# Altium PCB PCB1.PcbDoc (part 1 of 2)
Units mil, origin at the board's own origin, x right, y up, seen from the top; angles counter-clockwise.
Board outline 3937.01 x 3937.01 mil, 2 copper layers (Top Layer, Bottom Layer); 178 components, 187 nets, 636 pads, 168 vias.
Unrouted connection lines stored in the file: 17.
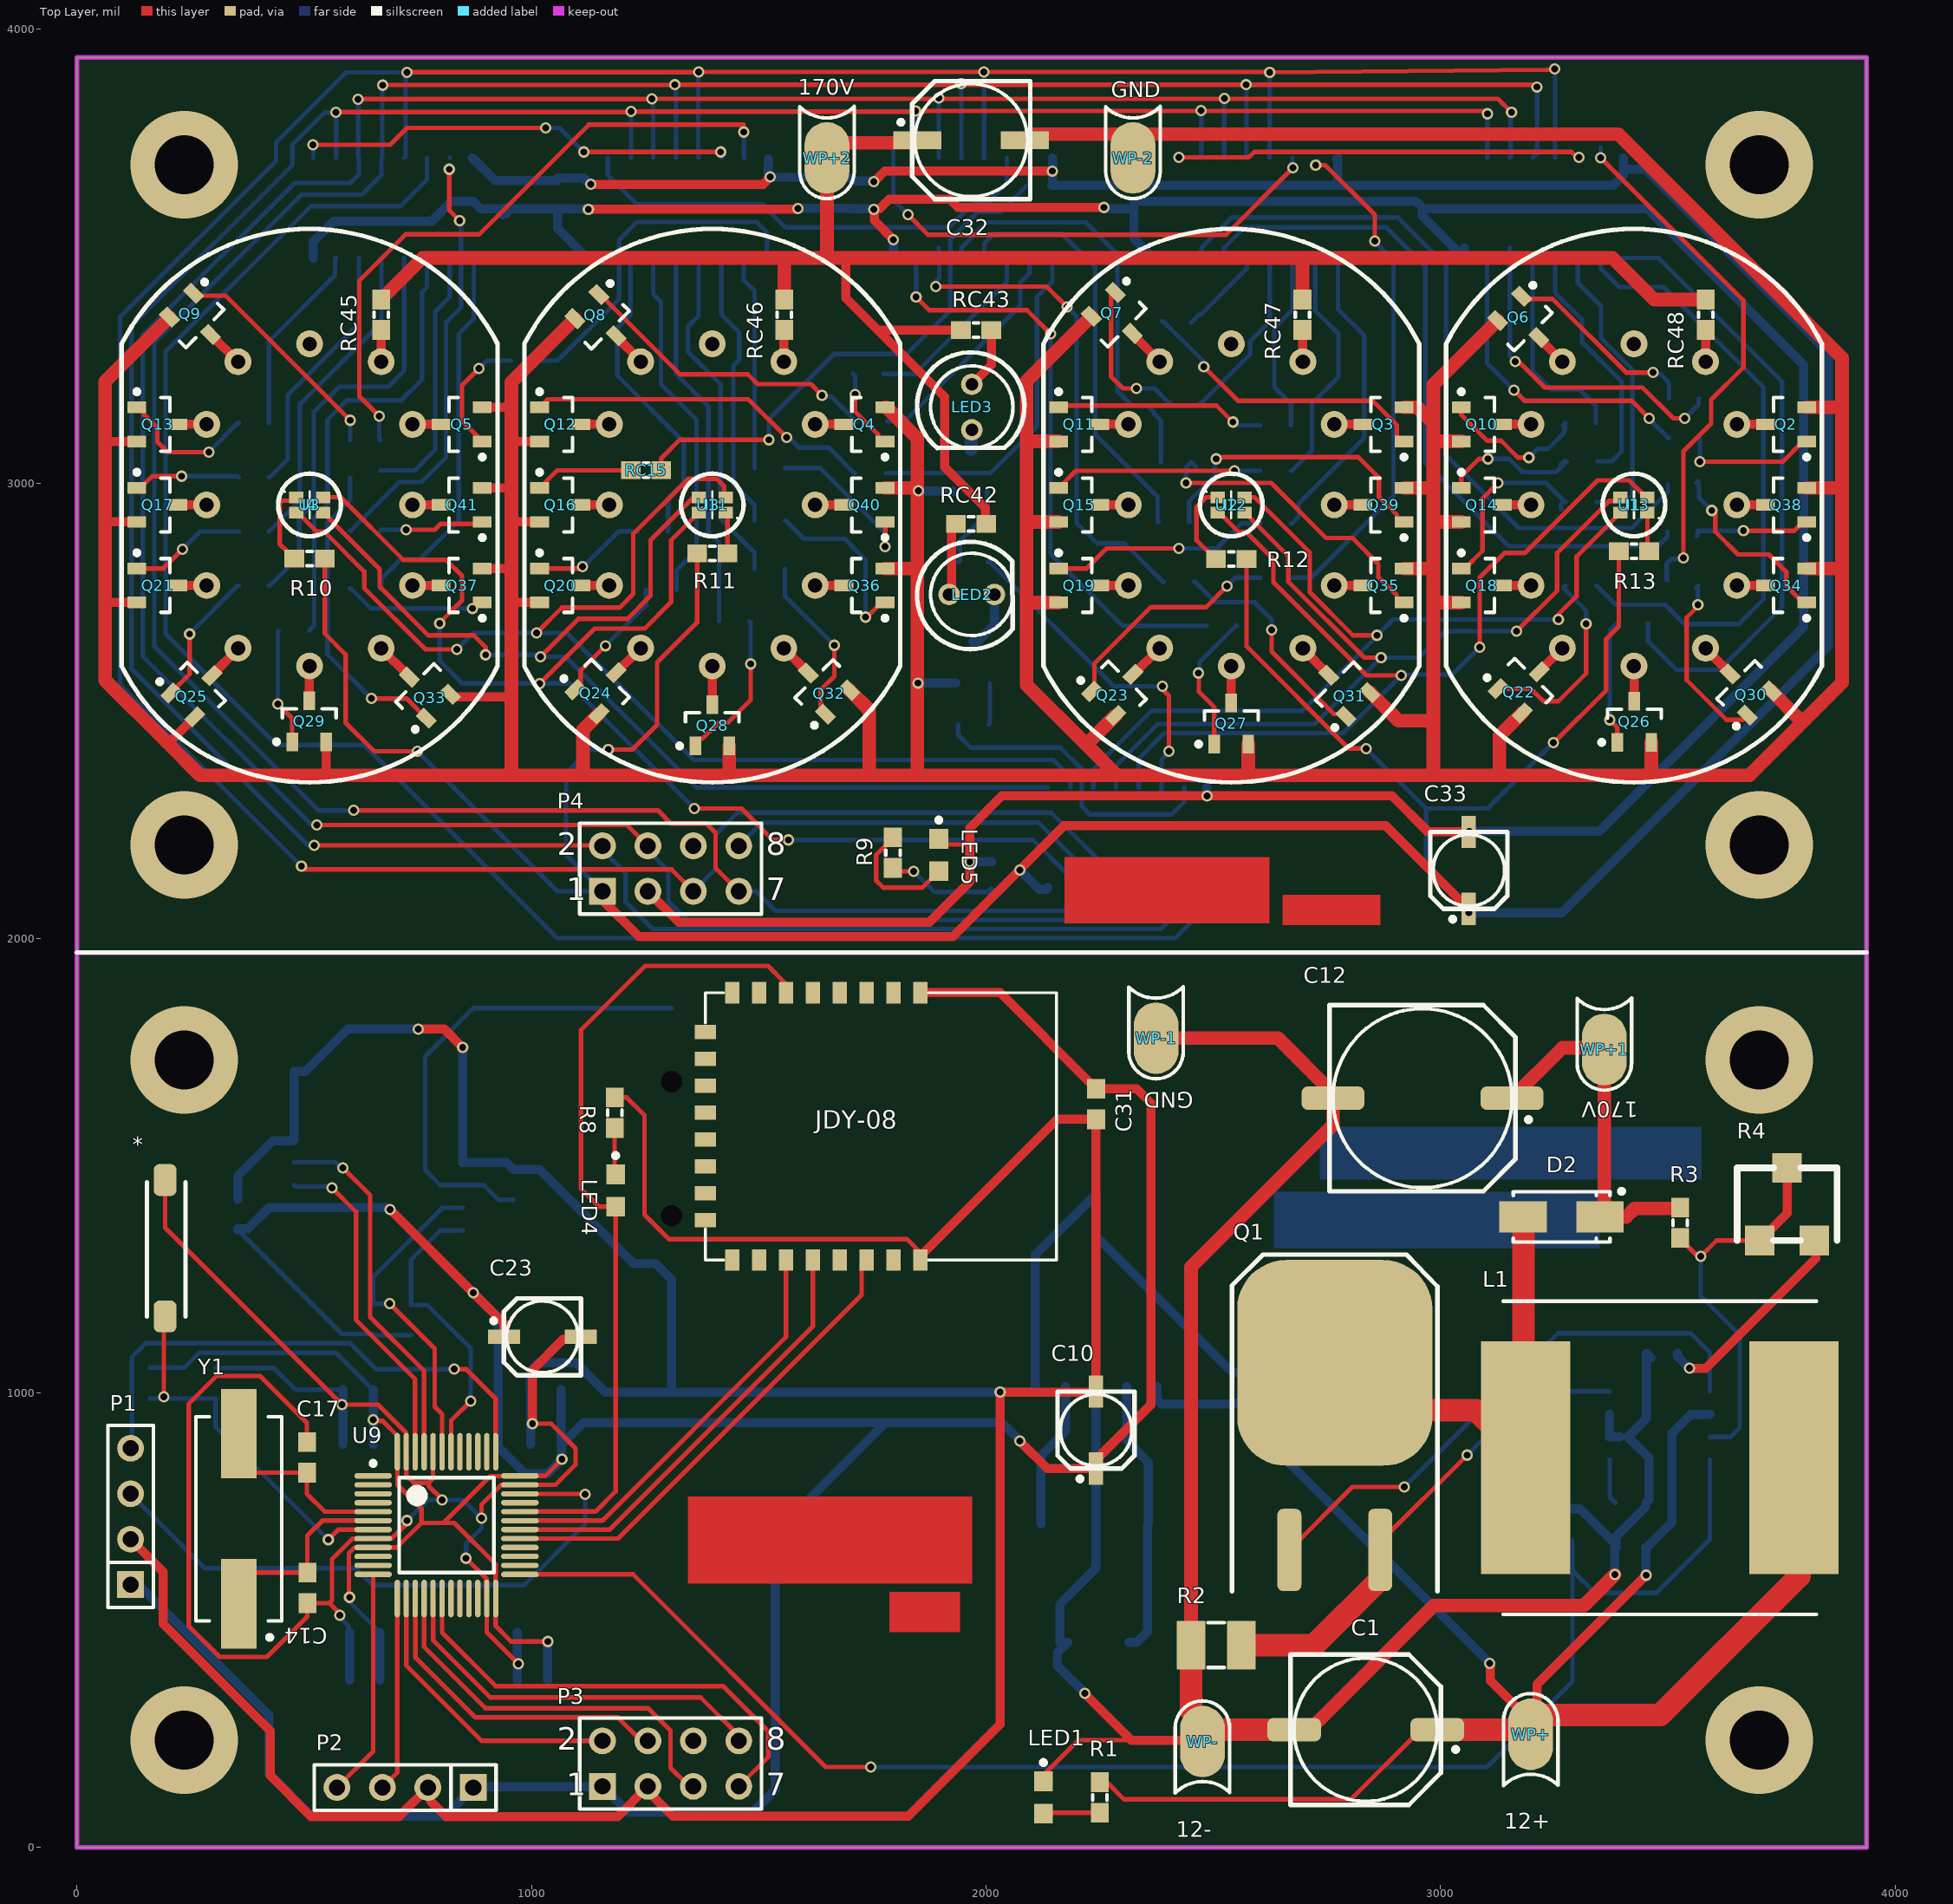
[diagram p0: Top Layer view]
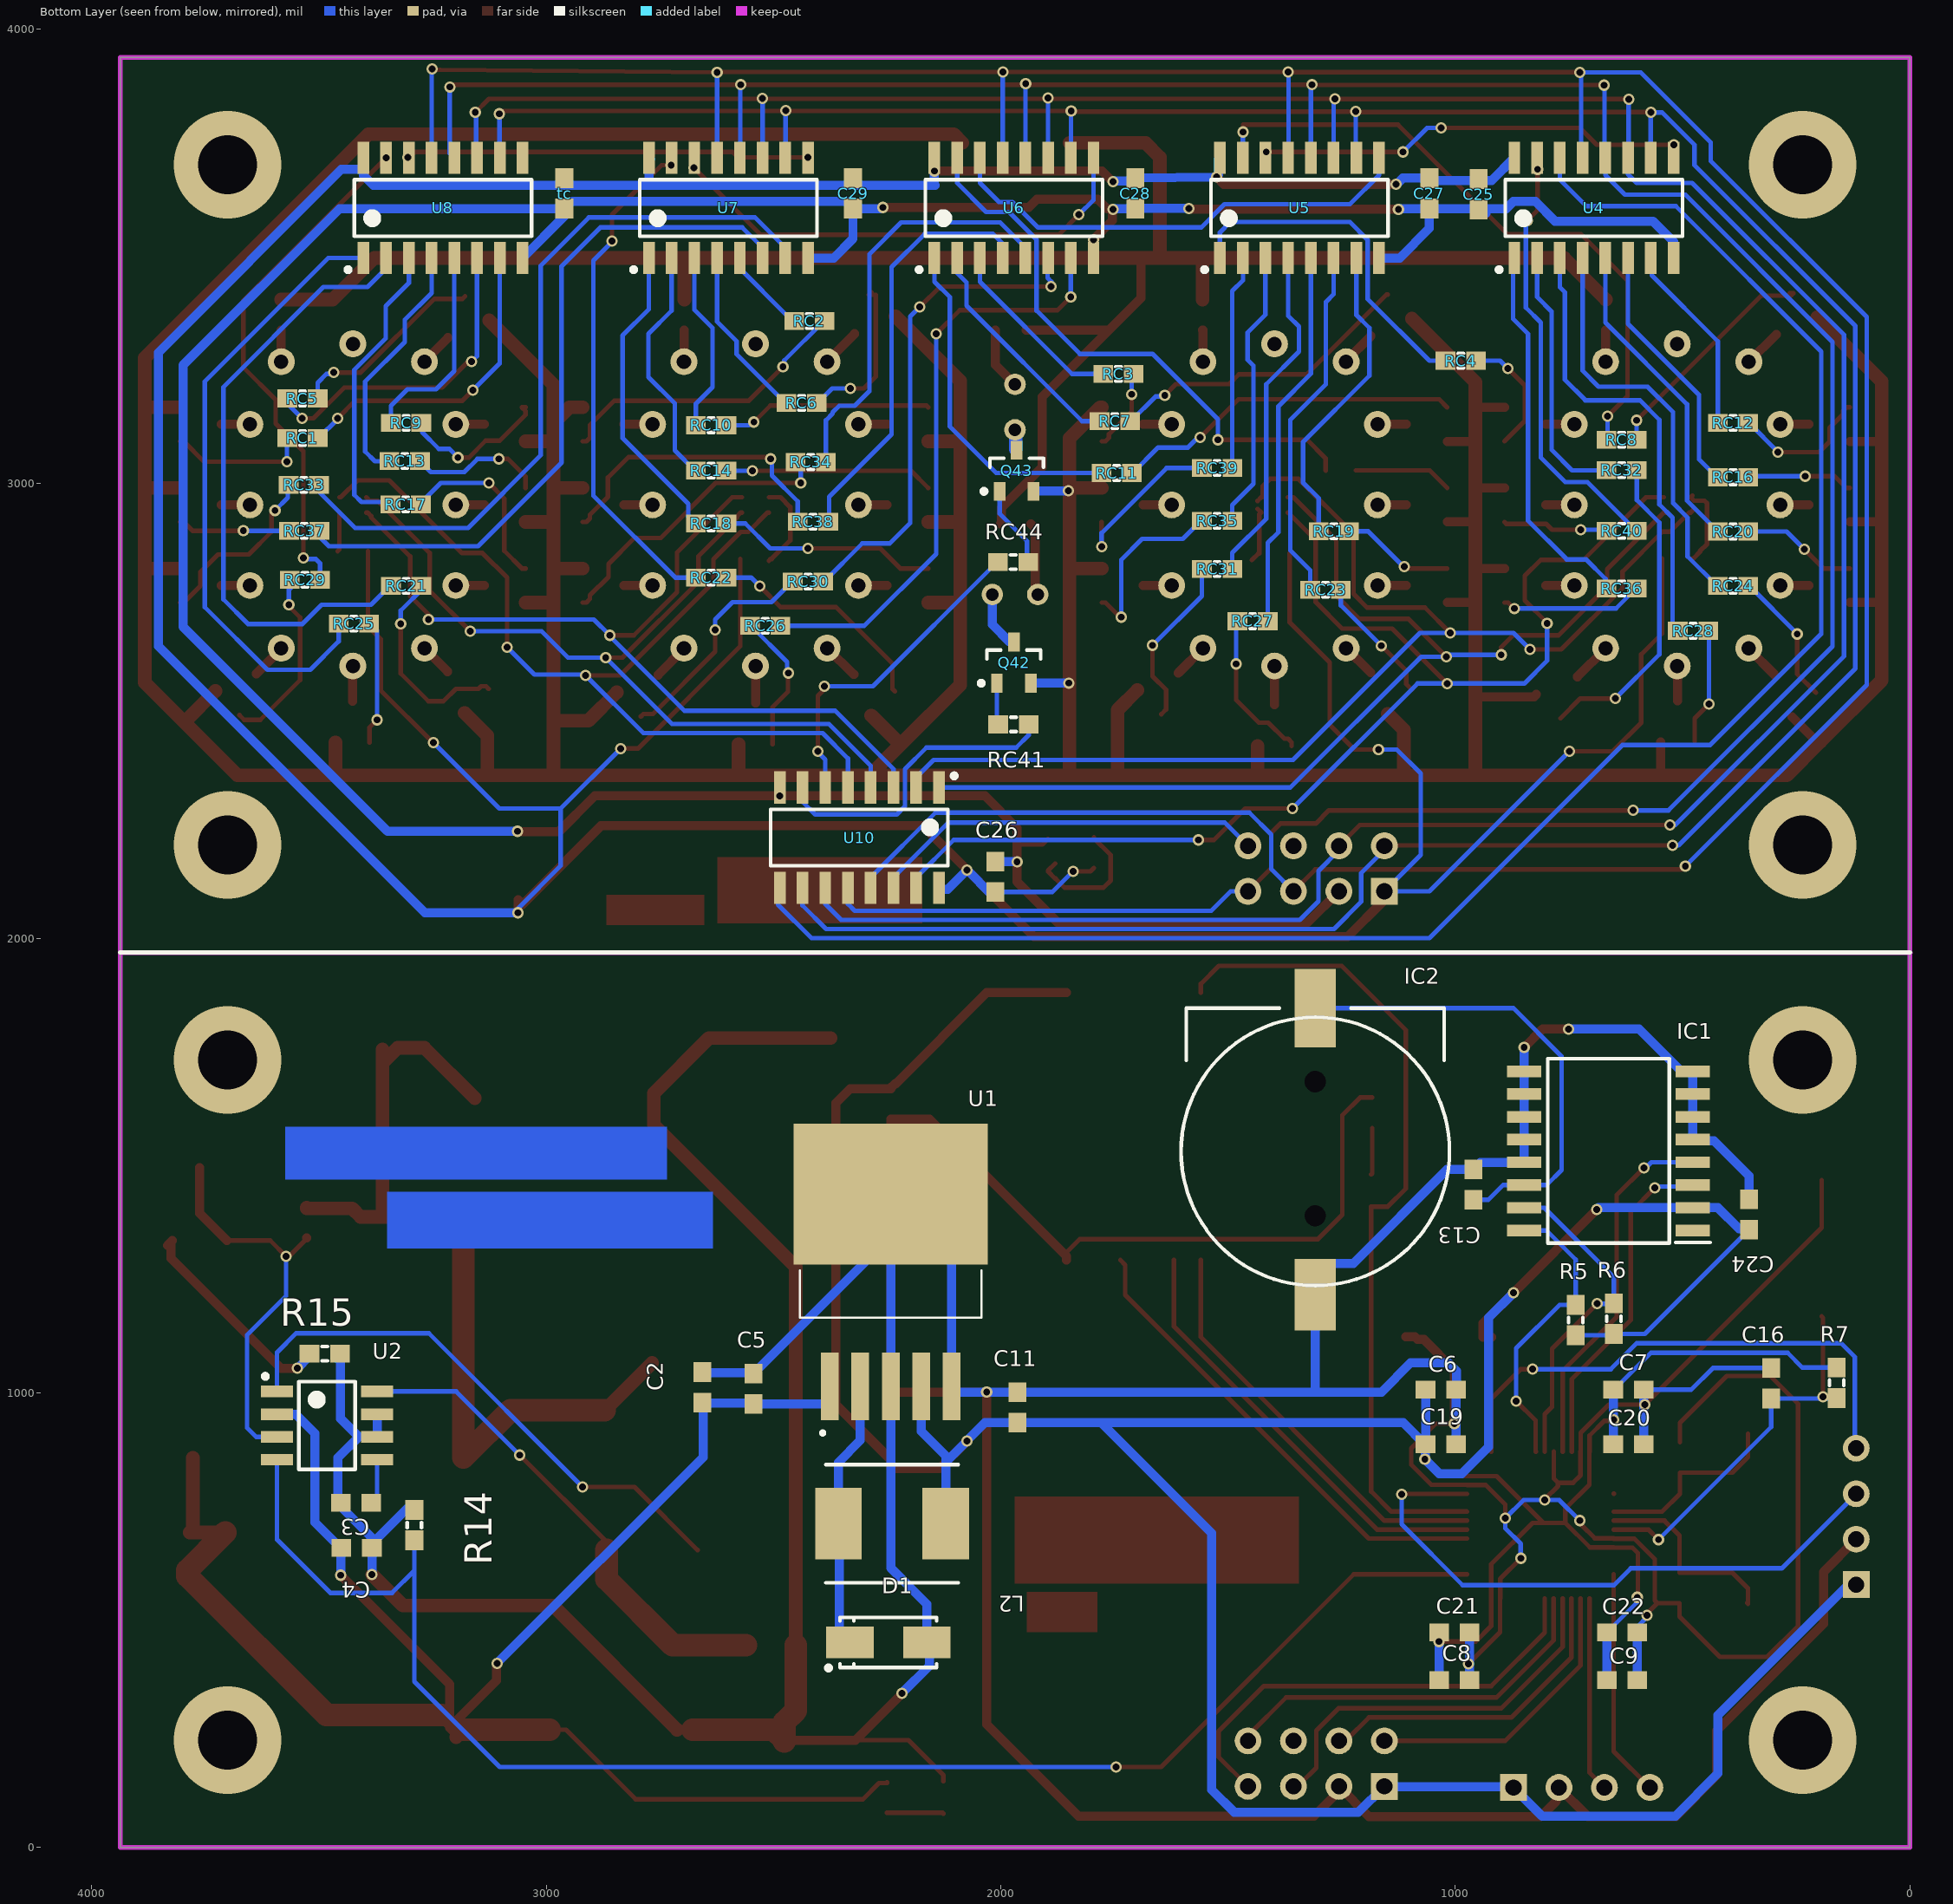
[diagram p1: Bottom Layer view, seen from below]
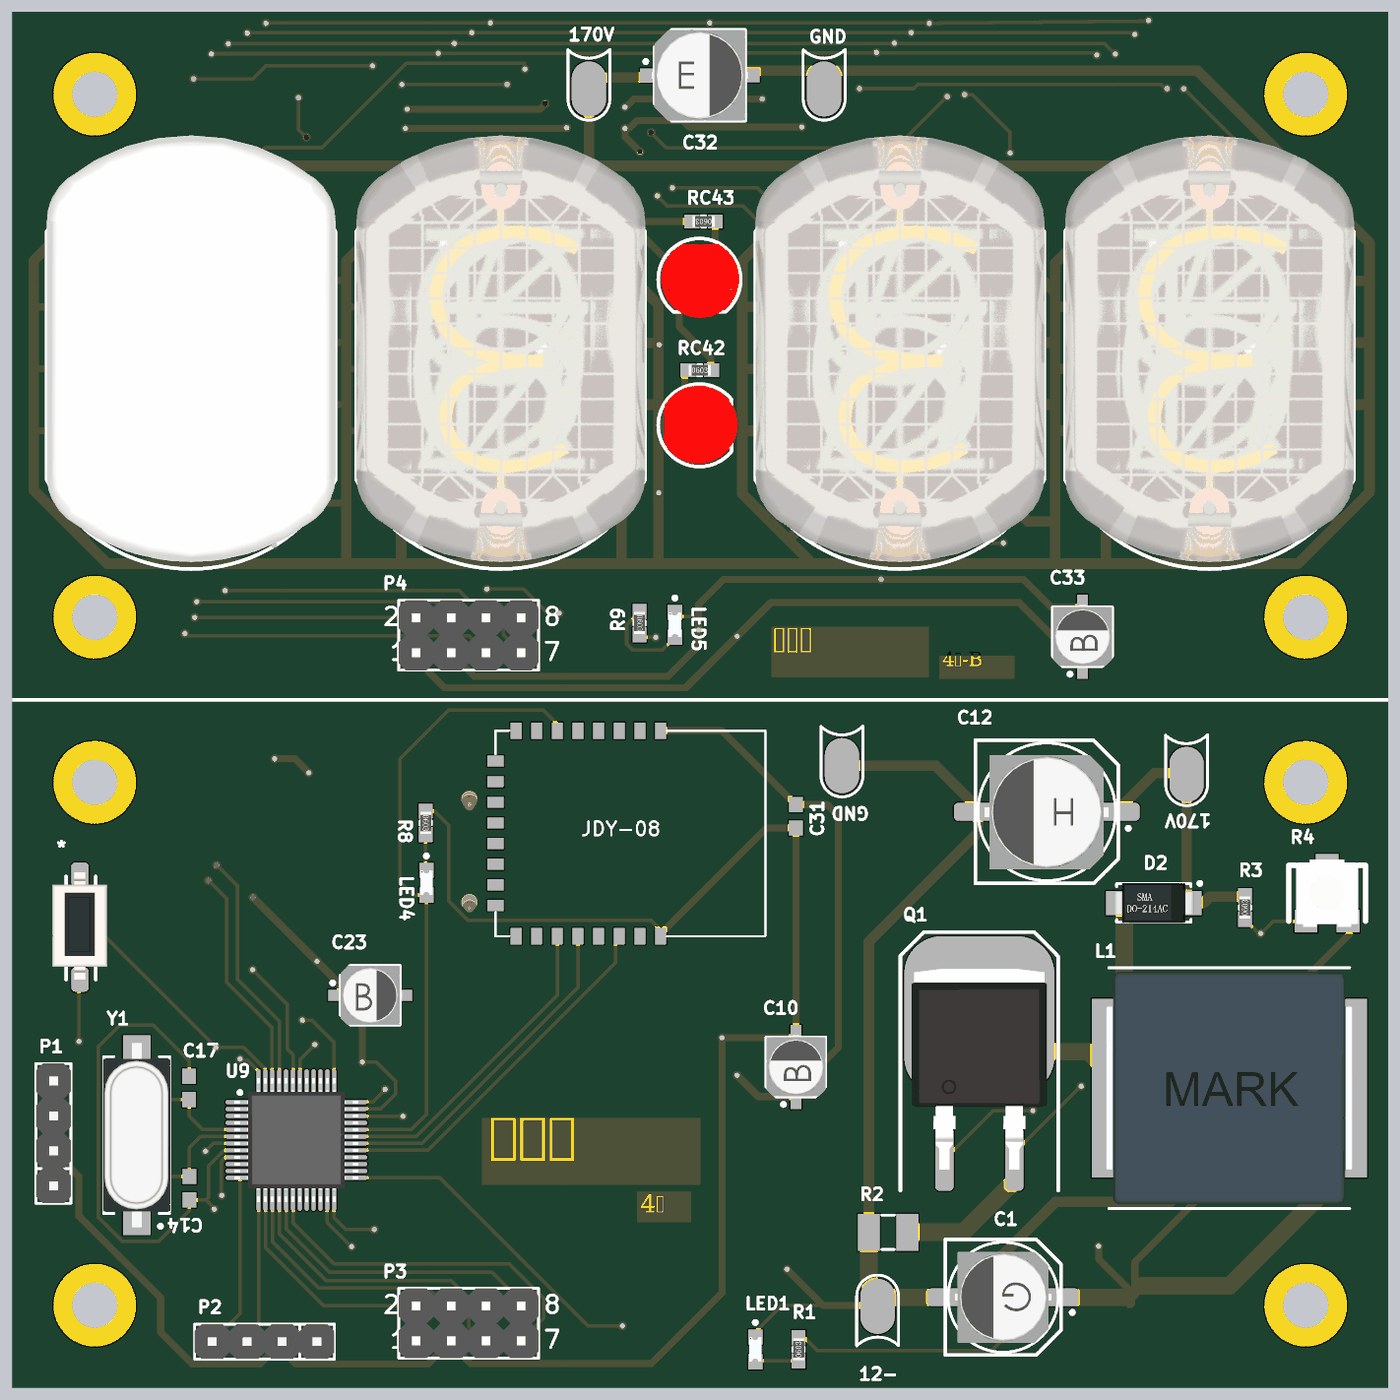
[diagram p3: 3D render of the assembled board from above, using the file's embedded part models]
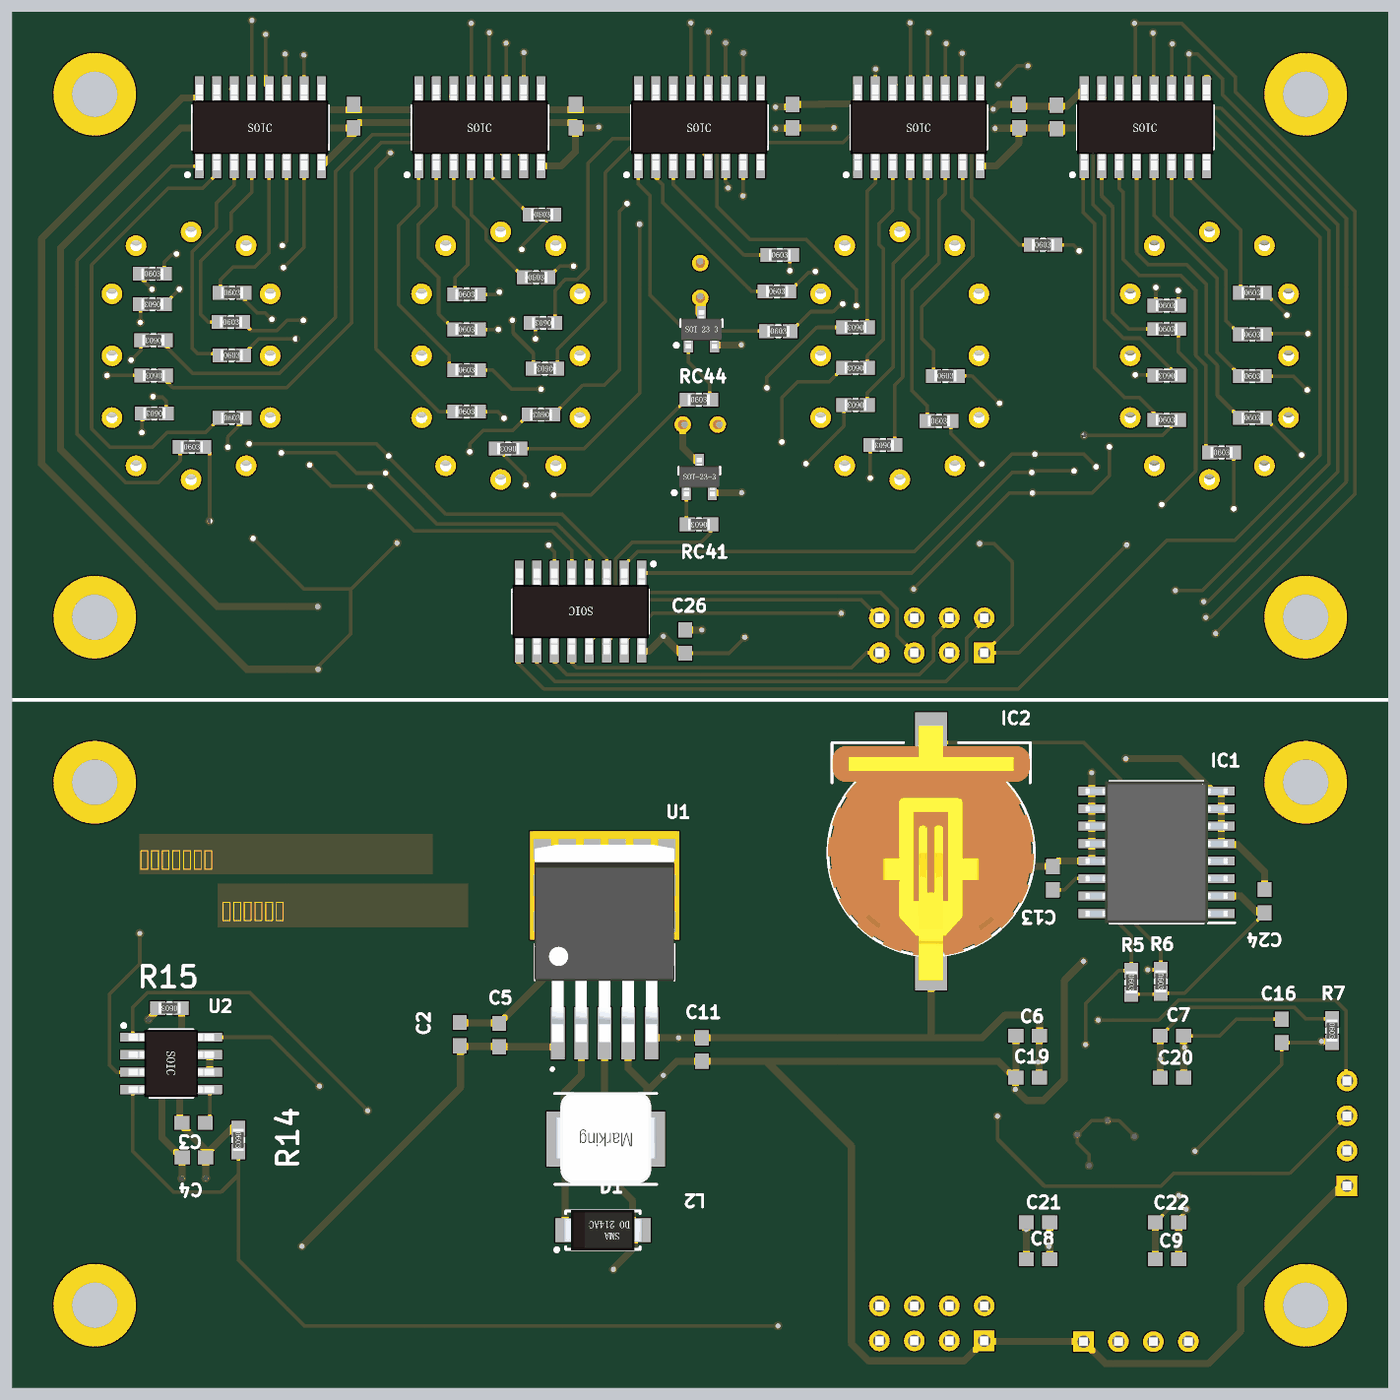
[diagram p4: 3D render of the assembled board from below, using the file's embedded part models]

## Layer stack, top to bottom
Top Solder: solder mask 0.4, Solder Resist, Dk 3.5
Top Layer: signal copper 1.4
Dielectric 1: dielectric 12.6, FR-4, Dk 4.8
Bottom Layer: signal copper 1.4
Bottom Solder: solder mask 0.4, Solder Resist, Dk 3.5

## Board outline
0,0 3937.01,0 3937.01,3937.01 0,3937.01

## Design rules (kind name [scope] priority, off if disabled: settings)
Clearance [All] p1: gap=7 ignorepadtopadclearanceinfootprint=FALSE
Height [All] p1: minheight=0 maxheight=1968.5 prefheight=500
PolygonConnect [All] p1: connectstyle=Relief reliefconductorwidth=10 reliefentries=4 polygonreliefangle="90 Angle" airgapwidth=10
RoutingVias [All] p1: holewidth=15 width=12 viastyle="Through Hole" minholewidth=15 minwidth=25 maxholewidth=28 maxwidth=50
SolderMaskExpansion [All] p1: expansion=4
Width [All] p1: maxlimit=100 minlimit=8 preferedwidth=10
29 further rules are at their usual default settings.

## Classes and differential pairs
component class Sheet1: * C1 C2 C3 C4 C5 C6 C7 C8 C9 C10 C11 C12 C13 C14 C16 C17 C19 C20 C21 C22 C23 C24 C25 C26 C27 C28 C29 C31 C32 C33 D1 D2 I1 I2 I3 I4 IC1 IC2 L1 L2 LED1 LED2 LED3 LED4 LED5 P1 P2 P3 P4 Q1 Q2 Q3 Q4 Q5 Q6 Q7 Q8 Q9 Q10 Q11 Q12 Q13 Q14 Q15 Q16 Q17 Q18 Q19 Q20 Q21 Q22 Q23 Q24 Q25 Q26 Q27 Q28 Q29 Q30 Q31 Q32 Q33 Q34 Q35 Q36 Q37 Q38 Q39 Q40 Q41 Q42 Q43 R1 R2 R3 R4 R5 R6 R7 R8 R9 R10 R11 R12 R13 R14 R15 RC1 RC2 RC3 RC4 RC5 RC6 RC7 RC8 RC9 RC10 RC11 RC12 RC13 RC14 RC15 RC16 RC17 RC18 RC19 RC20 RC21 RC22 RC23 RC24 RC25 RC26 RC27 RC28 RC29 RC30 RC31 RC32 RC33 RC34 RC35 RC36 RC37 RC38 RC39 RC40 RC41 RC42 RC43 RC44 RC45 RC46 RC47 RC48 tc U1 U2 U3 U4 U5 U6 U7 U8

## Components (designator, comment, footprint, x,y, rotation, side; value= is the part's Value field where it differs from the comment)
* "KEY" KEY 194,1168 r90 top locked
C1 "330uF" CAPS8 2835,259 r180 top
C2 "226" CAPC1608[0603] 2656,1012 r90 bottom
C3 "104" CAPC1608[0603] 3418,758 r180 bottom
C4 "104" CAPC1608[0603] 3417,659 r0 bottom
C5 "104" CAPC1608[0603] 2544,1009 r270 bottom
C6 "226" CAPC1608[0603] 1032,1007 r180 bottom
C7 "226" CAPC1608[0603] 619,1007 r180 bottom
C8 "226" CAPC1608[0603] 1002,368 r180 bottom
C9 "226" CAPC1608[0603] 633,368 r180 bottom
C10 "10uF" CAPS4 2242,918 r90 top
C11 "104" CAPC1608[0603] 1963,968 r270 bottom
C12 "10uF" CAPS10 2960,1648 r180 top
C13 "104" CAPC1608[0603] 960,1458 r90 bottom
C14 "22PF" CAPC1608[0603] 507,571 r270 top
C16 "104" CAPC1608[0603] 305,1021 r90 bottom
C17 "22PF" CAPC1608[0603] 506,858 r90 top
C19 "104" CAPC1608[0603] 1032,887.01 r180 bottom
C20 "104" CAPC1608[0603] 619,887 r180 bottom
C21 "104" CAPC1608[0603] 1002,473 r180 bottom
C22 "104" CAPC1608[0603] 633,473 r180 bottom
C23 "10uF" CAPS4 1024,1123 r0 top
C24 "226" CAPC1608[0603] 354,1392 r90 bottom
C25 "226" CAPC1608[0603] 949,3636 r270 bottom
C26 "226" CAPC1608[0603] 2012,2135 r90 bottom
C27 "226" CAPC1608[0603] 1057,3638 r270 bottom
C28 "226" CAPC1608[0603] 1704,3638 r270 bottom
C29 "226" CAPC1608[0603] 2325,3638 r270 bottom
C31 "226" CAPC1608[0603] 2242,1635 r270 top
C32 "2.2uF" CAPS6.3 1967.11,3755 r0 top locked
C33 "10uF" CAPS4 3062,2149 r90 top locked
D1 "SS26" SMA[DO-214AC] 2247,451 r0 bottom
D2 "RS1G FR104 1A 400V" SMA[DO-214AC] 3266,1387 r0 top
I1 "IN-12" Nixie_IN12-hole 3425.2,2952.76 r0 top locked
I2 "IN-12" Nixie_IN12-hole 2539.37,2952.76 r0 top locked
I3 "IN-12" Nixie_IN12-hole 1397.64,2952.76 r0 top locked
I4 "IN-12" Nixie_IN12-hole 511.81,2952.76 r0 top locked
IC1 "DS3231S" SOIC127P1032X265-16N 663,1532 r0 bottom locked
IC2 "CR1220-2" CR12202 1308,1531 r90 bottom
L1 "220uH" WHC1770 3482,857 r0 top locked
L2 "22uH" WHC0630 2239,712 r0 bottom
LED1 "Red" LEDC1608(0603) 2126,110 r270 top
LED2 "LED 5R" LED-R5-H9-SINGLE-R 1918.5,2755.91 r0 top locked
LED3 "LED 5R" LED-R5-H9-SINGLE-R 1968.5,3218 r270 top locked
LED4 "Red" LEDC1608(0603) 1185,1445 r270 top
LED5 "Red" LEDC1608(0603) 1896,2183 r270 top
P1 "Header 4" HDR1X4 118,578 r90 top
P2 "Header 4" HDR1X4 872,132 r180 top
P3 "Header 4X2" HDR2X4 1156,134.49 r0 top locked
P4 "Header 4X2" HDR2X4 1156,2103 r0 top locked
Q1 "IRF840S  8A  500V" TO-263 2767,860 r0 top locked
Q2 "0.2A 400V" SOT23 3759.84,3129.92 r180 top
Q3 "0.2A 400V" SOT23 2874.02,3129.92 r180 top
Q4 "0.2A 400V" SOT23 1732.28,3129.92 r180 top
Q5 "0.2A 400V" SOT23 846.46,3129.92 r180 top
Q6 "0.2A 400V" SOT23 3184,3353 r315 top
Q7 "0.2A 400V" SOT23 2290,3362 r315 top
Q8 "0.2A 400V" SOT23 1154,3357 r315 top
Q9 "0.2A 400V" SOT23 262,3360 r315 top
Q10 "0.2A 400V" SOT23 3090.55,3129.92 r0 top
Q11 "0.2A 400V" SOT23 2204.72,3129.92 r0 top
Q12 "0.2A 400V" SOT23 1063,3129.92 r0 top
Q13 "0.2A 400V" SOT23 177.17,3129.92 r0 top
Q14 "0.2A 400V" SOT23 3090.55,2952.76 r0 top
Q15 "0.2A 400V" SOT23 2204.72,2952.76 r0 top
Q16 "0.2A 400V" SOT23 1062.99,2952.76 r0 top
Q17 "0.2A 400V" SOT23 177.17,2952.76 r0 top
Q18 "0.2A 400V" SOT23 3090.55,2775.59 r0 top
Q19 "0.2A 400V" SOT23 2204.72,2775.59 r0 top
Q20 "0.2A 400V" SOT23 1062.99,2775.59 r0 top locked
Q21 "0.2A 400V" SOT23 177.17,2775.59 r0 top
Q22 "0.2A 400V" SOT23 3185,2554 r45 top
Q23 "0.2A 400V" SOT23 2291,2548 r45 top locked
Q24 "0.2A 400V" SOT23 1154,2552 r45 top locked
Q25 "0.2A 400V" SOT23 265,2545 r45 top
Q26 "0.2A 400V" SOT23 3426,2476 r90 top
Q27 "0.2A 400V" SOT23 2539.37,2472 r90 top
Q28 "0.2A 400V" SOT23 1397.64,2468 r90 top
Q29 "0.2A 400V" SOT23 511,2477 r90 top
Q30 "0.2A 400V" SOT23 3669,2549 r135 top
Q31 "0.2A 400V" SOT23 2786,2546 r135 top
Q32 "0.2A 400V" SOT23 1641,2551 r135 top
Q33 "0.2A 400V" SOT23 763,2542 r135 top
Q34 "0.2A 400V" SOT23 3759.84,2775.59 r180 top
Q35 "0.2A 400V" SOT23 2874.02,2775.59 r180 top
Q36 "0.2A 400V" SOT23 1732.28,2775.59 r180 top
Q37 "0.2A 400V" SOT23 846.46,2775.59 r180 top locked
Q38 "0.2A 400V" SOT23 3759.84,2952.76 r180 top
Q39 "0.2A 400V" SOT23 2874.02,2952.76 r180 top
Q40 "0.2A 400V" SOT23 1732.28,2952.76 r180 top
Q41 "0.2A 400V" SOT23 846.46,2952.76 r180 top
Q42 "0.2A 400V" SOT23 1971,2606 r90 bottom
Q43 "0.2A 400V" SOT23 1965,3028 r90 bottom
R1 "5k" RESC1608[0603] 2250,110 r90 top
R2 "0.05" RESC3225[1210] 2506,445 r180 top value=0.05R
R3 "1.8M" RESC1608[0603] 3527,1374 r90 top
R4 "6k/10k" Rhostat3 3762,1415 r0 top
R5 "1k" RESC1608[0603] 735,1160 r270 bottom
R6 "1k" RESC1608[0603] 651,1163 r270 bottom
R7 "10k" RESC1608[0603] 161,1022 r270 bottom
R8 "620R" RESC1608[0603] 1183,1616 r270 top
R9 "1k" RESC1608[0603] 1795,2188 r270 top
R10 "620R" RESC1608[0603] 511.81,2834.65 r0 top
R11 "620R" RESC1608[0603] 1397.64,2846 r180 top
R12 "620R" RESC1608[0603] 2539.37,2834 r0 top
R13 "620R" RESC1608[0603] 3425.2,2851 r180 top
R14 "47k" RESC1608[0603] 3290,709 r270 bottom
R15 "10k" RESC1608[0603] 3487,1086 r0 bottom
RC1 "4.7K" RESC1608[0603] 3536,3100 r0 bottom
RC2 "4.7K" RESC1608[0603] 2421,3357 r180 bottom
RC3 "4.7K" RESC1608[0603] 1741,3241 r180 bottom
RC4 "4.7K" RESC1608[0603] 988,3270 r180 bottom
RC5 "4.7K" RESC1608[0603] 3536,3187 r180 bottom
RC6 "4.7K" RESC1608[0603] 2438,3177 r180 bottom
RC7 "4.7K" RESC1608[0603] 1749,3137 r180 bottom
RC8 "4.7K" RESC1608[0603] 634,3096 r180 bottom